# Altium PCB CoinCraftA1.PcbDoc (part 6 of 7) (continued)
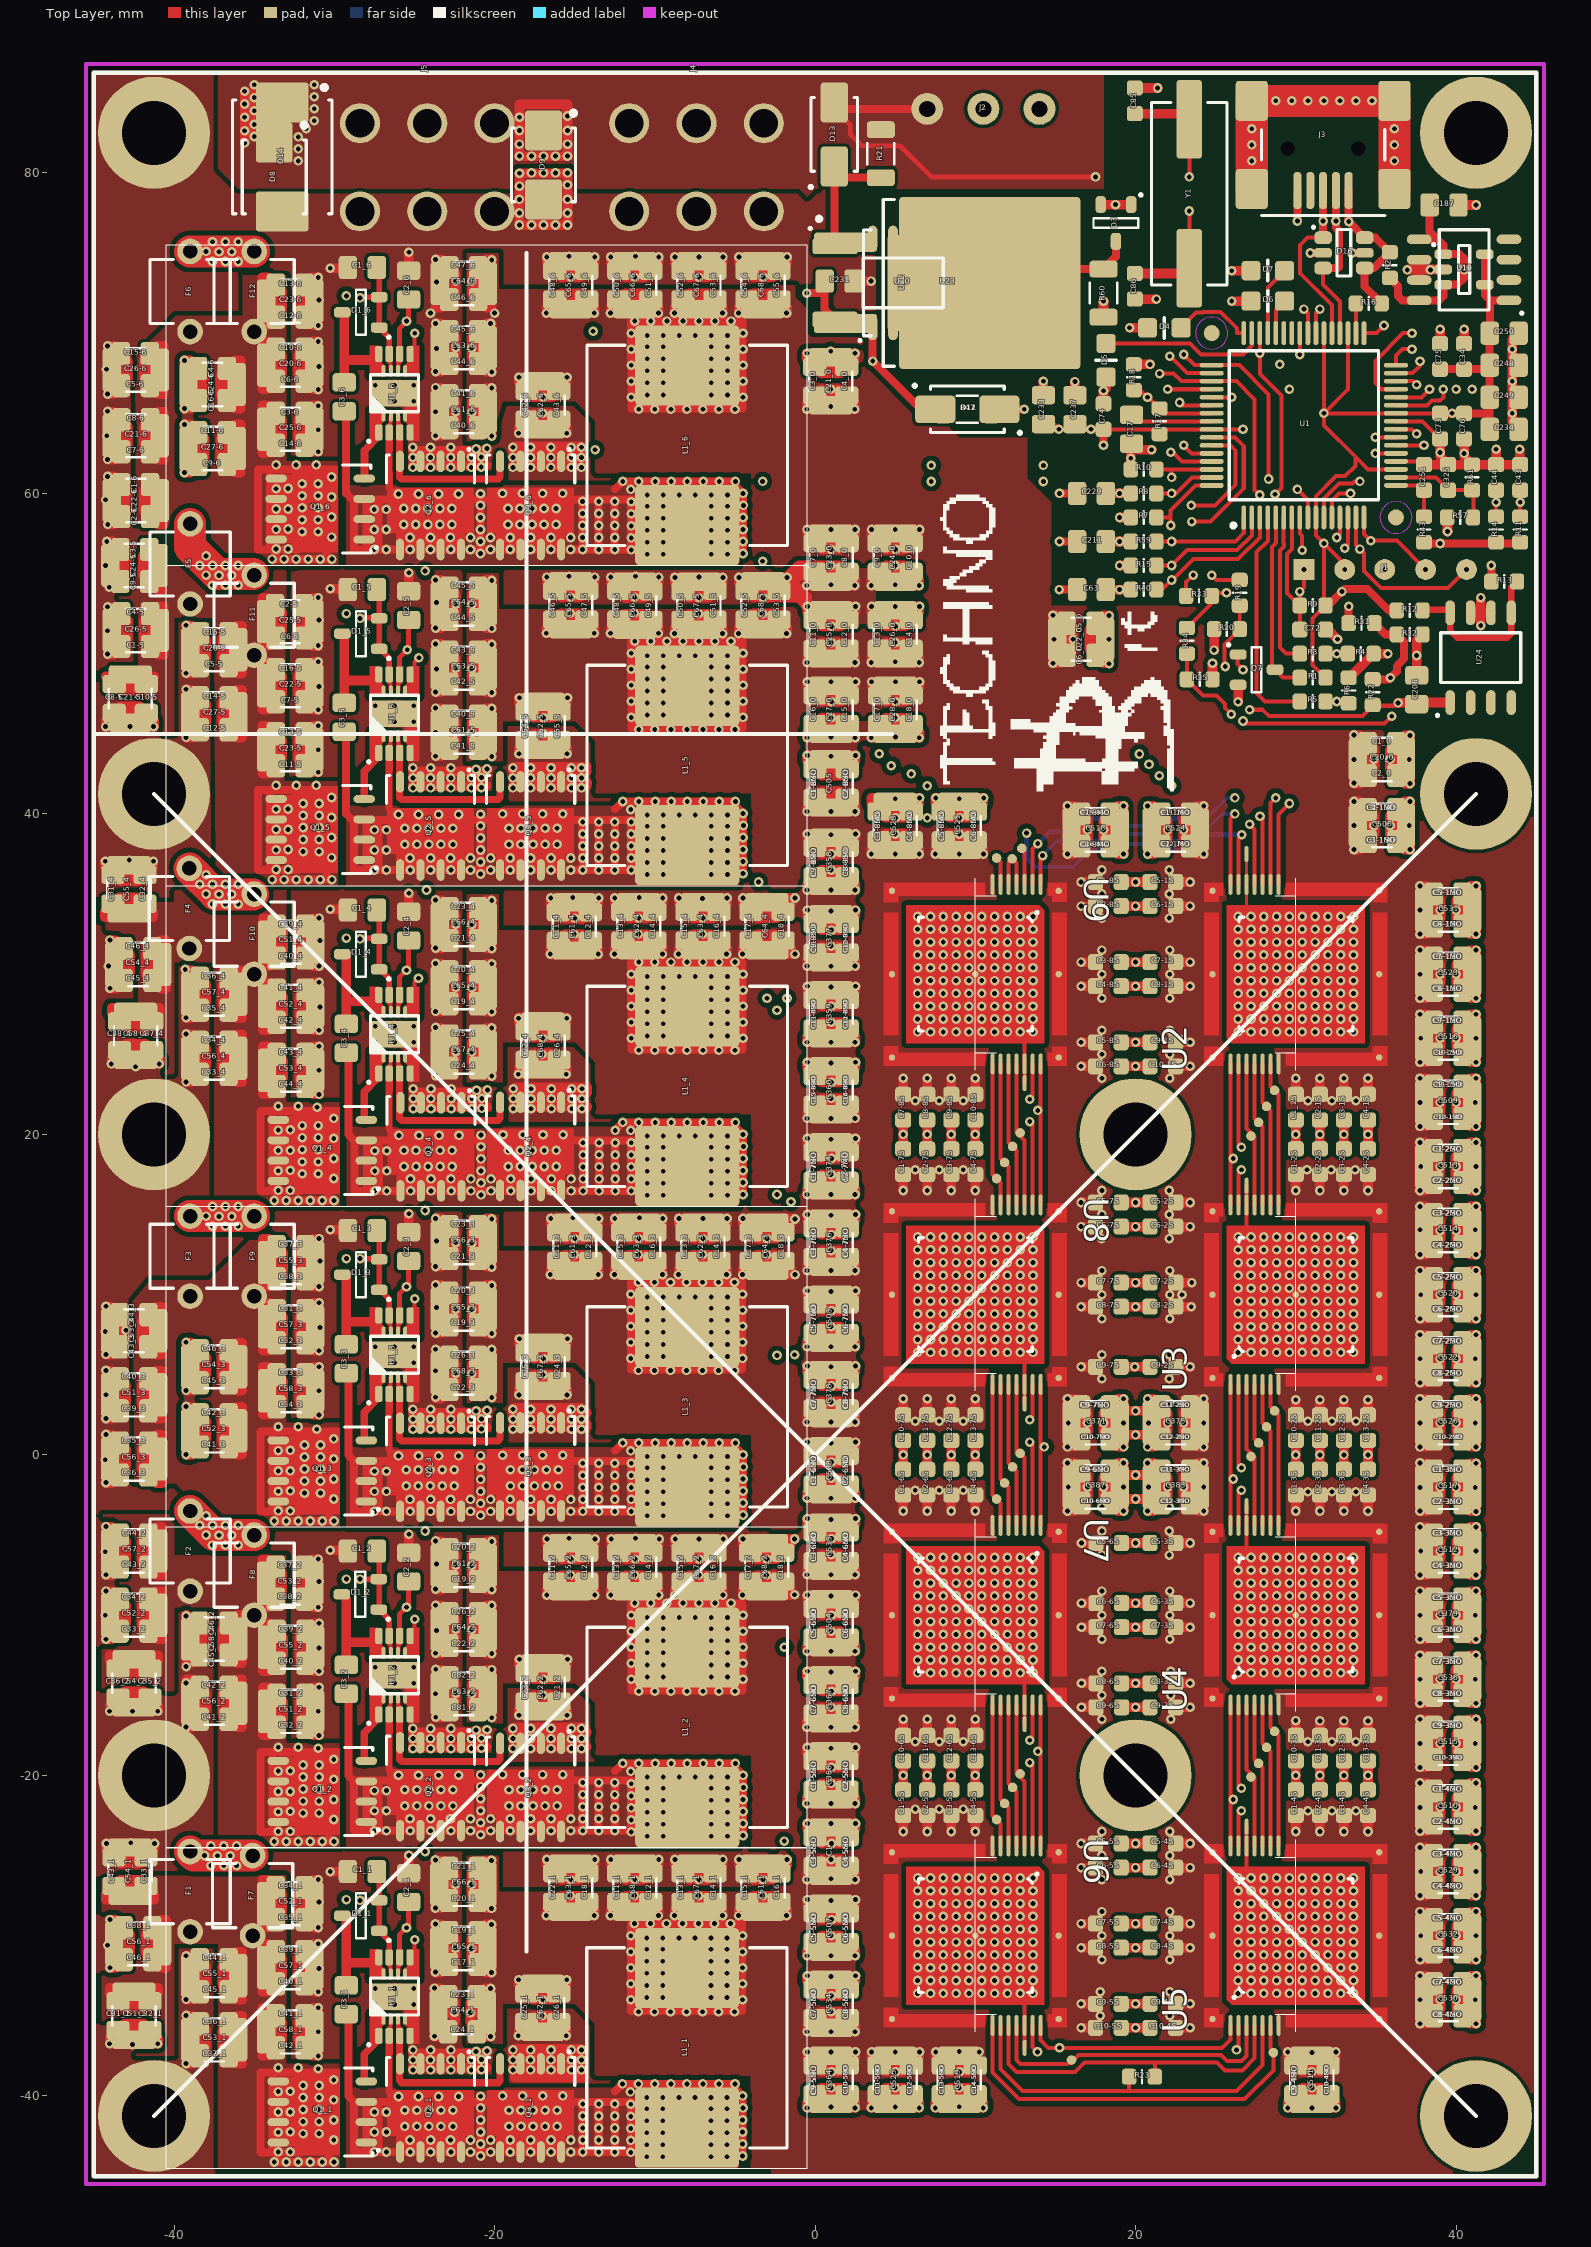
[diagram p0: Top Layer view]
## Nets (pads, with @x,y where several pads share a name; then routed paths per layer and width w, separated by ;. In a path a pad name is that pad's centre, name@x,y a point inside that pad or via, vN(x,y) a via of type N, cw(c..) or ccw(c..) an arc to the next point about the centre after c; other vN are vias at no path point) (continued)
PWM2L: R10.1 U1.62 U1_6.5 | length 60.5
  Top Layer w0.25: -24.987,68.988 v1(-24.987,70) ; R10.1@21.3,61.5 22.25,61.5 ; v1(22.25,61) 22.25,61.5 ; U1.62@24.75,61.5 22.25,61.5
  Mid-Top Layer w0.25: v1(-13.85,70.125) -13.85,62.85 v1(-13.725,62.725) ; v1(7.25,61.75) v1(14.25,61.75)
  Mid-Bottom Layer w0.25: v1(-24.987,70) -24.962,69.975 -19.366,69.975 -19.216,70.125 v1(-13.85,70.125) v1@-13.725,70 ; v1(-13.725,62.725) -12.75,61.75 v1(7.25,61.75) ; v1(14.25,61.75) 14.5,61.5 21.75,61.5 v1(22.25,61)
PWM3H: R59.2 U1.1 U1_3.5 | length 99.5
  Top Layer w0.25: -25.05,8.925 -24.987,8.988 v1(-24.987,9.75) ; R59.2@21.3,57 v1(22.25,57) 26.227,57 26.75,57.523 U1.1@26.75,58.5
  Mid-Top Layer w0.25: v1(-24.987,9.75) -24.336,10.401 v1(-24.336,15.25) ; v1(-3,28.5) -3,30.2 -2.825,30.375 -2.825,41.198 -1.635,42.387 4.137,42.387 v1(4.75,43) ; v1(20.838,43.088) 21,43.25 21,55.75 v1(22.25,57)
  Mid-Bottom Layer w0.25: v1(-24.336,15.25) -24.086,15.5 -3.5,15.5 -3,16 v1(-3,28.5) ; v1(4.75,43) 5,43.25 7.5,43.25 8,42.75 20.5,42.75 v1(20.838,43.088)
PWM3L: R7.1 U1.64 U1_4.5 | length 78.3
  Top Layer w0.25: -25,28.975 -25,29.5 v1(-24.75,29.75) ; R7.1@21.3,58.5 22.192,58.5 ; v1(22.192,58) 22.192,58.5 ; U1.64@24.75,60.5 23.75,60.5 22.192,58.942 22.192,58.5
  Mid-Top Layer w0.25: v1(-24.75,29.75) -24.75,34.75 v1(-24.25,35.25) ; v1(-3.525,35.75) -3.275,36 -3.275,41.384 -1.822,42.837 3.087,42.837 v1(4,43.75) ; v1(20.238,43.738) 20.238,56.046 v1(22.192,58)
  Mid-Bottom Layer w0.25: v1(-24.25,35.25) -24,35.5 -3.775,35.5 v1(-3.525,35.75) ; v1(4,43.75) 7.636,43.75 8.136,43.25 19.75,43.25 v1(20.238,43.738)
PWM4H: R40.2 U1.3 U1_1.5 | length 141.6
  Top Layer w0.25: -24.987,-31.166 v1(-24.987,-30.25) ; R40.2@21.3,54 21.65,54 v1(22.25,54.6) ; v1@22.274,54.576 23.6,55.903 26.403,55.903 27.75,57.25 U1.3@27.75,58.5
  Mid-Top Layer w0.25: v1(-24.987,-30.25) -24.336,-29.599 v1(-24.336,-24.75) ; v1(-1.925,-24.1) v1(-1.925,-12) ; v1(-1.75,28.5) -1.75,30.2 -1.925,30.375 -1.925,40.825 -1.262,41.488 4.51,41.488 4.773,41.75 v1(7,41.75) ; v1(-1.5,15.8) -1.875,15.425 -1.875,6.85 v1(-1.275,6.25) ; v1(22.25,41.75) v1(22.25,54.6)
  Mid-Bottom Layer w0.25: v1(-24.336,-24.75) -24.086,-24.5 -2.325,-24.5 v1(-1.925,-24.1) ; v1@-1.9,-12 -1.9,5.625 v1(-1.275,6.25) ; v1(-1.75,28.5) -1.75,16.05 v1(-1.5,15.8) ; v1(7,41.75) v1(22.25,41.75)
PWM4L: R15.2 U1.2 U1_2.5 | length 119.6
  Top Layer w0.25: -24.987,-11 v1(-24.987,-10.25) ; R15.2@21.3,55.5 v1(22.25,55.5) 23.213,56.463 26.326,56.463 27.25,57.386 U1.2@27.25,58.5
  Mid-Top Layer w0.25: v1(-24.987,-10.25) -24.336,-9.599 v1@-24.336,-4.95 ; v1(-2.375,6.212) v1(-2.375,16.25) ; v1(-2.375,27.75) -2.375,41.011 -1.449,41.938 4.324,41.938 4.586,42.2 5.7,42.2 v1(6,42.5) ; v1(21.488,42.387) 21.488,54.738 v1(22.25,55.5)
  Mid-Bottom Layer w0.25: v1(-24.336,-4.75) -24.086,-4.5 -3.05,-4.5 -2.75,-4.2 -2.75,5.837 v1(-2.375,6.212) ; v1(-2.375,16.25) v1(-2.375,27.75) ; v1(6,42.5) 7.288,42.5 7.538,42.25 21.35,42.25 v1(21.488,42.387) v1@21.625,42.525 ; v1@22.25,55.484 v1(22.25,55.5)
RED: D4.2 U1.48 | length 5.1
  Top Layer w0.25: D4.2@22.842,70.335 23.782,71.275 24.025,71.275 24.188,71.275 24.246,71.334 25.302,71.334 26.329,70.307 26.329,70 U1.48@26.75,70
RESET: R22.1 R31.1 R32.1 U2.3 U3.3 U4.3 U5.3 U6.3 U7.3 U8.3 U9.3 | length 224.6
  Top Layer w0.25: v1(13.4,-19.2) 13.575,-19.375 U6.3@13.575,-24.4 ; v1(13.4,0.8) 13.575,0.625 U7.3@13.575,-4.4 ; v1(13.4,20.8) 13.575,20.625 U8.3@13.575,15.6 ; U9.3@13.575,35.6 13.575,37.825 v1(13.9,38.15) ; v1(26.3,-37.125) 26.425,-37 U5.3@26.425,-35.6 ; U4.3@26.425,-15.6 26.425,-20.625 v1(26.6,-20.8) ; U3.3@26.425,4.4 26.425,-0.625 v1(26.6,-0.8) ; U2.3@26.425,24.4 26.425,19.375 v1(26.6,19.2) ; v1(26.7,45.8) 26.85,45.65 35.539,45.65 v1(35.989,46.1)
  Top Layer w0.5: R22.1@34.8,48.4 35.8,48.4 v1(35.9,48.5) 36.299,48.899 36.299,49.229 36.754,49.685 36.754,50.746 R32.1@36.3,51.2 35.6,51.2 R31.1@34.9,51.9
  Mid-Top Layer w0.25: v1(13.4,-19.2) 14.415,-19.2 15.7,-17.915 15.7,-4.35 15,-3.65 15,0.9 14.6,1.3 13.9,1.3 v1(13.4,0.8) ; v1(13.4,20.8) 14.25,20.8 15.6,22.15 15.6,36.766 14.983,37.383 14.983,37.517 14.35,38.15 v1(13.9,38.15) ; v1(26.2,41) 26.525,41.325 26.525,45.589 v1@26.718,45.782 ; v1(26.3,-37.125) 25.2,-36.025 25.2,-25.1 27.425,-22.875 27.425,-21.625 v1(26.6,-20.8) ; v1(26.6,-0.8) 26.6,3.9 25.3,5.2 25.3,14.8 27.7,17.2 27.7,18.6 27.1,19.2 v1(26.6,19.2)
  Mid-Bottom Layer w0.25: v1(13.4,0.8) 14.45,1.85 14.45,3.986 15.3,4.836 15.3,18.9 v1(13.4,20.8) ; v1(26.2,41) 25.2,40 25.2,36.7 24.3,35.8 24.3,21.5 v1(26.6,19.2) ; v1(26.6,-20.8) 24.8,-19 24.8,-4.889 25.475,-4.214 25.475,-1.025 25.7,-0.8 v1(26.6,-0.8)
  Mid-Bottom Layer w0.5: v1(35.9,48.5) 35.4,48 35.4,46.689 v1(35.989,46.1)
  Bottom Layer w0.25: v1(13.9,38.15) 14.65,38.9 15.9,38.9 16.7,39.7 18.3,39.7 18.75,39.25 21.2,39.25 21.65,39.7 ; 21.9,39.7 21.65,39.7 ; v1(26.2,41) 25.7,41 24.4,39.7 21.65,39.7
RESET_MCU: R31.2 U1.53 | length 21.7
  Top Layer w0.25: U1.53@24.75,66 v1(26,66)
  Top Layer w0.5: R31.2@33.3,51.9 v1(33.3,52.95)
  Mid-Top Layer w0.25: v1(29.6,66.5) 31.125,64.975 31.125,54.275 32.45,52.95 v1(33.3,52.95)
  Mid-Bottom Layer w0.25: v1(26,66) 27.212,66 27.712,66.5 v1(29.6,66.5)
SPI_CS0: R19.1 R20.2 U2.15 | length 19.1
  Top Layer w0.2: R20.2@26.5,51.525 R19.1@26.5,53
  Top Layer w0.25: v1(25.6,49.2) 25.55,49.25 25.55,50.575 R20.2@26.5,51.525 ; v1(27.112,39.349) 27.425,39.037 U2.15@27.425,35.6
  Mid-Top Layer w0.25: v1(25.6,49.2) 25.7,49.1 25.7,48.925 27.775,46.85 27.775,44.975 27.6,44.8 27.6,40.764 27.112,40.276 v1(27.112,39.349)
SPI_CS1: pad.0@27.2,19.9 U2.4 U3.15 | length 9.3
  Top Layer w0.25: U2.4@26.925,24.4 26.925,20.375 pad.0@27.4,19.9 ; pad.0@27.163,20.138 27.425,19.875 U3.15@27.425,15.6
SPI_CS2: pad.0@27.2,-0.1 U3.4 U4.15 | length 9.3
  Top Layer w0.25: U3.4@26.925,4.4 26.925,0.375 pad.0@27.4,-0.1 ; pad.0@27.163,0.138 27.425,-0.125 U4.15@27.425,-4.4
SPI_CS3: pad.0@27.2,-20.1 U4.4 U5.15 | length 9.3
  Top Layer w0.25: U4.4@26.925,-15.6 26.925,-19.625 pad.0@27.4,-20.1 ; pad.0@27.163,-19.863 27.425,-20.125 U5.15@27.425,-24.4
SPI_CS4: pad.0@16,-37.761 U5.4 U6.15 | length 19.1
  Top Layer w0.25: U6.15@12.575,-35.6 12.575,-37.761 12.814,-38 15.761,-38 pad.0@16,-37.761 16.064,-37.825 16.439,-37.45 25.325,-37.45 25.7,-37.825 26.611,-37.825 26.925,-37.511 U5.4@26.925,-35.6
SPI_CS5: pad.0@12.8,-19.9 U6.4 U7.15 | length 9.3
  Top Layer w0.25: U7.15@12.575,-15.6 12.575,-19.875 pad.0@12.838,-20.138 ; pad.0@12.6,-19.9 13.075,-20.375 U6.4@13.075,-24.4
SPI_CS6: pad.0@12.8,0.1 U7.4 U8.15 | length 9.1
  Top Layer w0.25: pad.0@12.575,0.125 U8.15@12.575,4.4 ; pad.0@12.6,0.1 pad.0@12.8,0.1 13.075,-0.175 U7.4@13.075,-4.4
SPI_CS7: pad.0@12.8,20.1 U8.4 U9.15 | length 9.3
  Top Layer w0.25: U9.15@12.575,24.4 12.575,20.125 pad.0@12.838,19.863 ; pad.0@12.6,20.1 13.075,19.625 U8.4@13.075,15.6
SPI_CS8: pad.0@12.9,37.85 U9.4 | length 2.3
  Top Layer w0.25: pad.0@12.9,37.85 13.075,37.675 U9.4@13.075,35.6
SPI_MISO0: Q7.1 U2.14 | length 15.5
  Top Layer w0.25: Q7.1@26.35,49.9 26.35,49.35 v1(26.7,49) ; v1@27.767,39.855 27.925,39.697 U2.14@27.925,35.6
  Mid-Top Layer w0.25: v1(26.7,49) 26.7,48.65 28.3,47.05 28.3,41.433 28.125,41.258 28.125,40.741 28.3,40.566 28.3,40.388 v1(27.762,39.85)
SPI_MISO1: pad.0@27.675,20.75 U2.5 U3.14 | length 9
  Top Layer w0.25: U2.5@27.425,24.375 27.425,21 27.925,20.5 U3.14@27.925,15.6
SPI_MISO2: pad.0@27.675,0.75 U3.5 U4.14 | length 9
  Top Layer w0.25: U3.5@27.425,4.375 27.425,1 27.925,0.5 U4.14@27.925,-4.4
SPI_MISO3: pad.0@27.675,-19.25 U4.5 U5.14 | length 9
  Top Layer w0.25: U4.5@27.425,-15.625 27.425,-19 27.925,-19.5 U5.14@27.925,-24.4
SPI_MISO4: R23.1 U5.5 U6.14 | length 21.6
  Top Layer w0.25: U6.14@12.075,-35.6 12.075,-38 12.575,-38.5 16.225,-38.5 16.825,-37.9 21.2,-37.9 ; R23.1@21.2,-38.8 21.2,-37.9 ; U5.5@27.425,-35.625 27.425,-37.648 26.673,-38.4 25.586,-38.4 25.086,-37.9 21.2,-37.9
SPI_MISO5: pad.0@12.325,-20.75 U6.5 U7.14 | length 9
  Top Layer w0.25: U7.14@12.075,-15.6 12.075,-20.5 12.575,-21 U6.5@12.575,-24.375
SPI_MISO6: pad.0@12.325,-0.75 U7.5 U8.14 | length 9
  Top Layer w0.25: U8.14@12.075,4.4 12.075,-0.5 12.575,-1 U7.5@12.575,-4.375
SPI_MISO7: pad.0@12.325,19.25 U8.5 U9.14 | length 9
  Top Layer w0.25: U9.14@12.075,24.4 12.075,19.5 12.575,19 U8.5@12.575,15.625
SPI_MOSI0: R3.1 R4.2 U2.13 | length 17.5
  Top Layer w0.25: U2.13@28.425,35.6 28.425,40.675 v1(28.75,41) ; R3.1@31.85,50 v1(32.55,50) R4.2@33.25,50
  Mid-Top Layer w0.25: v1(28.75,41) 28.75,46.2 v1(32.55,50)
SPI_MOSI1: pad.0@28.175,21.75 U2.6 U3.13 | length 9
  Top Layer w0.25: U2.6@27.925,24.375 27.925,22 28.425,21.5 U3.13@28.425,15.6
SPI_MOSI2: pad.0@28.175,1.75 U3.6 U4.13 | length 9
  Top Layer w0.25: U3.6@27.925,4.375 27.925,2 28.425,1.5 U4.13@28.425,-4.4
SPI_MOSI3: pad.0@28.175,-18.25 U4.6 U5.13 | length 9
  Top Layer w0.25: U4.6@27.925,-15.625 27.925,-18 28.425,-18.5 U5.13@28.425,-24.4
SPI_MOSI4: R23.2 U5.6 U6.13 | length 23.7
  Top Layer w0.25: U6.13@11.575,-35.6 11.575,-38.325 12.95,-39.7 19.6,-39.7 ; R23.2@19.6,-38.8 19.6,-39.7 ; U5.6@27.925,-35.625 27.925,-38.075 26.3,-39.7 19.6,-39.7
SPI_MOSI5: pad.0@11.825,-21.75 U6.6 U7.13 | length 9
  Top Layer w0.25: U7.13@11.575,-15.6 11.575,-21.5 12.075,-22 U6.6@12.075,-24.375
SPI_MOSI6: pad.0@11.825,-1.75 U7.6 U8.13 | length 9
  Top Layer w0.25: U8.13@11.575,4.4 11.575,-1.5 12.075,-2 U7.6@12.075,-4.375
SPI_MOSI7: pad.0@11.825,18.25 U8.6 U9.13 | length 9
  Top Layer w0.25: U9.13@11.575,24.4 11.575,18.5 12.075,18 U8.6@12.075,15.625
SPI_SCK0: R5.1 R6.2 U2.12 | length 15.8
  Top Layer w0.25: U2.12@28.925,35.6 28.925,39.975 v1(29.6,40.65) ; R5.1@31.85,47.018 v1(32.55,47.018) 33.232,47.018 R6.2@33.25,47
  Mid-Top Layer w0.25: v1(29.6,40.65) 29.6,41.488 29.25,41.838 29.25,45.75 30.518,47.018 v1(32.55,47.018)
SPI_SCK1: pad.0@28.675,22.75 U2.7 U3.12 | length 9
  Top Layer w0.25: U2.7@28.425,24.4 28.425,23 28.925,22.5 U3.12@28.925,15.6
SPI_SCK2: pad.0@28.675,2.75 U3.7 U4.12 | length 9
  Top Layer w0.25: U3.7@28.425,4.4 28.425,3 28.925,2.5 U4.12@28.925,-4.4
SPI_SCK3: pad.0@28.675,-17.25 U4.7 U5.12 | length 9
  Top Layer w0.25: U4.7@28.425,-15.6 28.425,-17 28.925,-17.5 U5.12@28.925,-24.4
SPI_SCK4: pad.0@28.6,-37.3 U5.7 U6.12 | length 24.8
  Top Layer w0.25: U6.12@11.075,-35.6 11.075,-38.55 12.725,-40.2 26.8,-40.2 28.6,-38.4 pad.0@28.6,-37.3 28.6,-37.175 28.425,-37 U5.7@28.425,-35.6
SPI_SCK5: pad.0@11.325,-22.75 U6.7 U7.12 | length 9
  Top Layer w0.25: U7.12@11.075,-15.6 11.075,-22.5 11.575,-23 U6.7@11.575,-24.4
SPI_SCK6: pad.0@11.325,-2.75 U7.7 U8.12 | length 9
  Top Layer w0.25: U8.12@11.075,4.4 11.075,-2.5 11.575,-3 U7.7@11.575,-4.4
SPI_SCK7: pad.0@11.325,17.25 U8.7 U9.12 | length 9
  Top Layer w0.25: U9.12@11.075,24.4 11.075,17.5 11.575,17 U8.7@11.575,15.6
SPI_SCK8: pad.0@11.325,37.25 U9.7 | length 1.8
  Top Layer w0.25: pad.0@11.325,37.25 11.575,37 U9.7@11.575,35.6
SPI_TERM: pad.0@12.3,37.2 U9.5 U9.6 | length 3.4
  Top Layer w0.25: U9.6@12.075,35.625 12.075,36.975 pad.0@12.3,37.2 12.575,36.925 U9.5@12.575,35.625
SWN1: C3_1.2 L1_1.1 Q1_1.1 Q1_1.2 Q1_1.3 Q2_1.5 Q2_1.6 Q2_1.7 Q2_1.8 Q3_1.5 Q3_1.6 Q3_1.7 Q3_1.8 U1_1.2 | length 111.8
  Top Layer w0.4: -26.574,-39.725 -25.935,-40.365 -25.75,-40.55
  Top Layer w0.45: C3_1.2@-29.25,-34.9 -29.125,-35.025 C3_1.2@-29.118,-35.032 ; -26.58,-39.72 -26.58,-37.345 ; -26.575,-37.34 U1_1.2@-26.575,-36.25
  Top Layer w0.5: C3_1.2@-29.125,-35.025 -29.125,-40.018 -28.778,-40.365 ; v1@-27.25,-43.345 -27.25,-40.365 ; -12.5,-39.725 v1(-12.025,-39.25) v1(-10,-39.25) v1(-9,-39.25) v1(-8,-39.25) v1(-7,-39.25) v1(-6,-39.25) -5.275,-39.25 v1(-4.525,-40) v1(-4.525,-41.5) v1(-4.525,-42.25) v1(-4.525,-43) v1(-4.525,-43.75) -6.225,-43.75 L1_1.1@-8,-41.975 ; v1@-11.5,-43.5 v1(-12.5,-43.5) ; v1@-11.5,-40.365 v1@-12.5,-40.365 ; v1(-10.5,-43.8) L1_1.1@-10.5,-40.665 ; L1_1.1@-9.61,-40.39 -11.5,-40.39 v1(-11.5,-43.525) L1_1.1@-9.525,-43.525 ; L1_1.1@-9.61,-40.365 L1_1.1@-8,-41.975 ; L1_1.1@-9.525,-43.5 L1_1.1@-8,-41.975 ; v1(-9.5,-43.8) L1_1.1@-9.5,-40.665 ; v1(-9.5,-40.1) v1(-8.5,-40.1) v1(-7.5,-40.1) v1(-6.5,-40.1) v1(-5.5,-40.1) L1_1.1@-4.775,-40.1 ; v1(-6.5,-43.8) L1_1.1@-6.5,-40.665 ; v1(-5.5,-43.8) L1_1.1@-5.5,-40.665 ; -28.778,-40.365 Q1_1.3@-28,-40.365 ; -28.778,-40.365 -28.778,-43.5 -28,-43.5 ; -28,-43.5 Q2_1.5@-25.9,-43.5 Q2_1.6@-24.63,-43.5 Q2_1.7@-23.36,-43.5 Q2_1.8@-22.09,-43.5 v1@-20.872,-43.5 ; -28,-43.5 Q1_1.1@-28,-42.905 Q1_1.2@-28,-41.635 Q1_1.3@-28,-40.365 ; Q1_1.3@-28,-40.365 -27.25,-40.365 ; -27.25,-40.365 -25.935,-40.365 -20.872,-40.365 ; v1@-20.872,-43.5 -20.872,-40.365 ; v1@-20.872,-43.5 Q3_1.5@-19.655,-43.5 Q3_1.6@-18.385,-43.5 Q3_1.7@-17.115,-43.5 Q3_1.8@-15.845,-43.5 v1(-14.5,-43.5) ; -20.872,-40.365 v1@-14.5,-40.365 ; v1(-14.5,-43.5) v1@-14.5,-40.365 ; v1(-14.5,-43.5) v1(-13.5,-43.5) ; v1@-14.5,-40.365 v1@-13.5,-40.365 ; v1(-13.5,-43.5) v1@-13.5,-40.365 ; v1(-13.5,-43.5) v1(-12.5,-43.5) ; v1@-13.5,-40.365 v1@-12.5,-40.365 ; v1(-12.5,-43.5) v1@-12.5,-40.365
  other v1: -20.872,-43.75 -27.5,-43.5 -26.75,-43.5 -25.265,-43.5 -23.995,-43.5 -22.725,-43.5 -21.5,-43.5 -20.25,-43.5 -19.02,-43.5 -17.75,-43.5 -16.48,-43.5 -15.25,-43.5 -10.5,-43.05 -9.5,-43.05 -6.5,-43.05 -5.5,-43.05 -20.872,-43 -11.5,-42.775 -25.275,-42.75 -23.995,-42.75 -22.75,-42.75 -21.5,-42.75 -20.25,-42.75 -19.02,-42.75 -17.75,-42.75 -16.48,-42.75 -15.25,-42.75 -14.5,-42.75 -13.5,-42.75 -12.5,-42.75 -10.5,-42.3 -9.5,-42.3 -6.5,-42.3 -5.5,-42.3 -27.5,-42.25 -26.75,-42.25 -20.872,-42.25 -11.5,-42.025 -14.5,-42 -13.5,-42 -12.5,-42 -25.6,-41.9 -24.85,-41.9 -24.1,-41.9 -23.35,-41.9 -22.6,-41.9 -19.1,-41.9 -18.35,-41.9 -17.6,-41.9 -16.85,-41.9 -16.1,-41.9 -10.5,-41.55 -9.5,-41.55 -6.5,-41.55 -5.5,-41.55 -20.872,-41.5 -11.5,-41.275 -14.5,-41.25 -13.5,-41.25 -12.5,-41.25 -27.5,-41 -26.75,-41 -25.6,-40.9 -24.85,-40.9 -24.1,-40.9 -23.35,-40.9 -22.6,-40.9 -19.1,-40.9 -18.35,-40.9 -17.6,-40.9 -16.85,-40.9 -16.1,-40.9 -10.5,-40.8 -9.5,-40.8 -6.5,-40.8 -5.5,-40.8 -20.872,-40.75 -4.5,-40.75 -11.5,-40.525 -14.5,-40.5 -13.5,-40.5 -12.5,-40.5 -10.5,-40.1 -25.995,-40.036 -24.745,-40.036 -23.495,-40.036 -22.245,-40.036 -20.872,-40.018 -19.5,-40 -18.25,-40 -17,-40 -15.75,-40 -11.525,-39.75 -11.025,-39.25 -5,-39.25
SWN2: C3_2.2 L1_2.1 Q1_2.1 Q1_2.2 Q1_2.3 Q2_2.5 Q2_2.6 Q2_2.7 Q2_2.8 Q3_2.5 Q3_2.6 Q3_2.7 Q3_2.8 U1_2.2 | length 119
  Top Layer w0.4: -26.574,-19.675 -25.75,-20.5 -25.935,-20.315
  Top Layer w0.45: C3_2.2@-29.25,-14.9 -29.125,-15.025 C3_2.2@-29.118,-15.032 ; -26.58,-19.67 -26.58,-18.705 -26.58,-17.295 ; -26.575,-17.29 U1_2.2@-26.575,-16.2
  Top Layer w0.5: C3_2.2@-29.125,-15.025 -29.125,-20.018 -28.778,-20.365 Q1_2.3@-28,-20.365 ; v1@-27.25,-23.295 -27.25,-20.315 ; -12.475,-19.725 v1(-12,-19.25) v1(-9.975,-19.25) v1(-8.975,-19.25) v1(-7.975,-19.25) v1(-6.975,-19.25) v1(-5.975,-19.25) -5.25,-19.25 v1(-4.5,-20) v1(-4.5,-21.5) v1(-4.5,-22.25) v1(-4.5,-23) v1(-4.5,-23.75) L1_2.1@-6.2,-23.75 ; v1@-11.5,-23.45 v1(-12.5,-23.45) ; v1@-11.5,-20.315 v1@-12.5,-20.315 ; v1(-10.475,-23.8) L1_2.1@-10.475,-20.665 ; L1_2.1@-9.585,-20.39 -11.475,-20.39 v1(-11.475,-23.525) L1_2.1@-9.5,-23.525 ; v1(-9.475,-23.8) L1_2.1@-9.475,-20.665 ; v1(-9.475,-20.1) v1(-8.475,-20.1) v1(-7.475,-20.1) v1(-6.475,-20.1) v1(-5.475,-20.1) ; v1(-6.475,-23.8) L1_2.1@-6.475,-20.665 ; v1(-5.475,-23.8) L1_2.1@-5.475,-20.665 ; -28,-23.45 -28.778,-23.45 -28.778,-20.315 Q1_2.3@-28,-20.315 ; -28,-23.45 -28,-22.855 -28,-21.585 Q1_2.3@-28,-20.315 ; -28,-23.45 Q2_2.5@-25.9,-23.45 Q2_2.6@-24.63,-23.45 Q2_2.7@-23.36,-23.45 Q2_2.8@-22.09,-23.45 v1@-20.873,-23.45 ; Q1_2.3@-28,-20.315 -27.25,-20.315 ; -27.25,-20.315 -25.935,-20.315 -20.873,-20.315 ; v1@-20.873,-23.45 -19.655,-23.45 -18.385,-23.45 -17.115,-23.45 -15.845,-23.45 v1(-14.5,-23.45) ; v1@-20.873,-23.45 -20.873,-20.315 ; -20.873,-20.315 v1@-14.5,-20.315 ; v1(-14.5,-23.45) v1(-13.5,-23.45) ; v1(-14.5,-23.45) v1@-14.5,-20.315 ; v1@-14.5,-20.315 v1@-13.5,-20.315 ; v1(-13.5,-23.45) v1(-12.5,-23.45) ; v1(-13.5,-23.45) v1@-13.5,-20.315 ; v1@-13.5,-20.315 v1@-12.5,-20.315 ; v1(-12.5,-23.45) v1@-12.5,-20.315 ; L1_2.1@-7.975,-21.975 L1_2.1@-6.2,-23.75 ; L1_2.1@-7.975,-21.975 -9.5,-23.5 L1_2.1@-7.975,-21.975 ; L1_2.1@-7.975,-21.975 -9.585,-20.365 L1_2.1@-7.975,-21.975 ; L1_2.1@-7.975,-21.975 L1_2.1@-6.2,-23.75
  other v1: -20.873,-23.7 -27.5,-23.45 -26.75,-23.45 -25.265,-23.45 -23.995,-23.45 -22.725,-23.45 -21.5,-23.45 -20.25,-23.45 -19.02,-23.45 -17.75,-23.45 -16.48,-23.45 -15.25,-23.45 -10.475,-23.05 -9.475,-23.05 -6.475,-23.05 -5.475,-23.05 -20.873,-22.95 -11.475,-22.775 -25.275,-22.7 -23.995,-22.7 -22.75,-22.7 -21.5,-22.7 -20.25,-22.7 -19.02,-22.7 -17.75,-22.7 -16.48,-22.7 -15.25,-22.7 -14.5,-22.7 -13.5,-22.7 -12.5,-22.7 -10.475,-22.3 -9.475,-22.3 -6.475,-22.3 -5.475,-22.3 -27.5,-22.2 -26.75,-22.2 -20.873,-22.2 -11.475,-22.025 -14.5,-21.95 -13.5,-21.95 -12.5,-21.95 -25.6,-21.9 -24.85,-21.9 -24.1,-21.9 -23.35,-21.9 -22.6,-21.9 -19.1,-21.9 -18.35,-21.9 -17.6,-21.9 -16.85,-21.9 -16.1,-21.9 -10.475,-21.55 -9.475,-21.55 -6.475,-21.55 -5.475,-21.55 -20.873,-21.45 -11.475,-21.275 -14.5,-21.2 -13.5,-21.2 -12.5,-21.2 -27.5,-20.95 -26.75,-20.95 -25.6,-20.9 -24.85,-20.9 -24.1,-20.9 -23.35,-20.9 -22.6,-20.9 -19.1,-20.9 -18.35,-20.9 -17.6,-20.9 -16.85,-20.9 -16.1,-20.9 -10.475,-20.8 -9.475,-20.8 -6.475,-20.8 -5.475,-20.8 -4.475,-20.75 -20.873,-20.7 -11.475,-20.525 -14.5,-20.45 -13.5,-20.45 -12.5,-20.45 -10.475,-20.1 -25.995,-19.986 -24.745,-19.986 -23.495,-19.986 -22.245,-19.986 -20.873,-19.968 -19.5,-19.95 -18.25,-19.95 -17,-19.95 -15.75,-19.95 -11.5,-19.75 -11,-19.25 -4.975,-19.25
SWN3: C3_3.2 L1_3.1 Q1_3.1 Q1_3.2 Q1_3.3 Q2_3.5 Q2_3.6 Q2_3.7 Q2_3.8 Q3_3.5 Q3_3.6 Q3_3.7 Q3_3.8 U1_3.2 | length 119
  Top Layer w0.4: -26.574,0.325 -25.75,-0.5 ; -25.935,-0.39 -25.75,-0.575
  Top Layer w0.45: C3_3.2@-29.25,5.1 -29.125,4.975 C3_3.2@-29.118,4.968 ; -26.58,0.33 -26.58,1.295 -26.58,2.705 ; -26.575,2.71 U1_3.2@-26.575,3.8
  Top Layer w0.5: C3_3.2@-29.125,4.975 -29.125,-0.018 -28.778,-0.365 Q1_3.3@-28,-0.365 ; v1@-27.25,-3.37 -27.25,-0.39 ; -12.475,0.275 v1(-12,0.75) v1(-9.975,0.75) v1(-8.975,0.75) v1(-7.975,0.75) v1(-6.975,0.75) v1(-5.975,0.75) -5.25,0.75 v1(-4.5,0) v1(-4.5,-1.5) v1(-4.5,-2.25) v1(-4.5,-3) v1(-4.5,-3.75) L1_3.1@-6.2,-3.75 ; v1@-11.5,-3.525 v1(-12.5,-3.525) ; v1@-11.5,-0.39 v1@-12.5,-0.39 ; v1(-10.475,-3.8) L1_3.1@-10.475,-0.665 ; L1_3.1@-9.585,-0.39 -11.475,-0.39 v1(-11.475,-3.525) L1_3.1@-9.5,-3.525 ; v1(-9.475,-3.8) L1_3.1@-9.475,-0.665 ; v1(-9.475,-0.1) v1(-8.475,-0.1) v1(-7.475,-0.1) v1(-6.475,-0.1) v1(-5.475,-0.1) ; v1(-6.475,-3.8) L1_3.1@-6.475,-0.665 ; v1(-5.475,-3.8) L1_3.1@-5.475,-0.665 ; -28,-3.525 -28.778,-3.525 -28.778,-0.39 Q1_3.3@-28,-0.39 ; -28,-3.525 -28,-2.93 -28,-1.66 Q1_3.3@-28,-0.39 ; -28,-3.525 Q2_3.5@-25.9,-3.525 Q2_3.6@-24.63,-3.525 Q2_3.7@-23.36,-3.525 Q2_3.8@-22.09,-3.525 v1@-20.873,-3.525 ; Q1_3.3@-28,-0.39 -27.25,-0.39 ; -27.25,-0.39 -25.935,-0.39 -20.873,-0.39 ; v1@-20.873,-3.525 -19.655,-3.525 -18.385,-3.525 -17.115,-3.525 -15.845,-3.525 v1(-14.5,-3.525) ; v1@-20.873,-3.525 -20.873,-0.39 ; -20.873,-0.39 v1@-14.5,-0.39 ; v1(-14.5,-3.525) v1(-13.5,-3.525) ; v1(-14.5,-3.525) v1@-14.5,-0.39 ; v1@-14.5,-0.39 v1@-13.5,-0.39 ; v1(-13.5,-3.525) v1(-12.5,-3.525) ; v1(-13.5,-3.525) v1@-13.5,-0.39 ; v1@-13.5,-0.39 v1@-12.5,-0.39 ; v1(-12.5,-3.525) v1@-12.5,-0.39 ; L1_3.1@-7.975,-1.975 L1_3.1@-6.2,-3.75 ; L1_3.1@-7.975,-1.975 -9.5,-3.5 L1_3.1@-7.975,-1.975 ; L1_3.1@-7.975,-1.975 -9.585,-0.365 L1_3.1@-7.975,-1.975 ; L1_3.1@-7.975,-1.975 L1_3.1@-6.2,-3.75
  other v1: -20.873,-3.775 -27.5,-3.525 -26.75,-3.525 -25.265,-3.525 -23.995,-3.525 -22.725,-3.525 -21.5,-3.525 -20.25,-3.525 -19.02,-3.525 -17.75,-3.525 -16.48,-3.525 -15.25,-3.525 -10.475,-3.05 -9.475,-3.05 -6.475,-3.05 -5.475,-3.05 -20.873,-3.025 -25.275,-2.775 -23.995,-2.775 -22.75,-2.775 -21.5,-2.775 -20.25,-2.775 -19.02,-2.775 -17.75,-2.775 -16.48,-2.775 -15.25,-2.775 -14.5,-2.775 -13.5,-2.775 -12.5,-2.775 -11.475,-2.775 -10.475,-2.3 -9.475,-2.3 -6.475,-2.3 -5.475,-2.3 -27.5,-2.275 -26.75,-2.275 -20.873,-2.275 -14.5,-2.025 -13.5,-2.025 -12.5,-2.025 -11.475,-2.025 -25.515,-1.931 -24.765,-1.931 -24.015,-1.931 -23.265,-1.931 -22.515,-1.931 -19.015,-1.931 -18.265,-1.931 -17.515,-1.931 -16.765,-1.931 -16.015,-1.931 -10.475,-1.55 -9.475,-1.55 -6.475,-1.55 -5.475,-1.55 -20.873,-1.525 -14.5,-1.275 -13.5,-1.275 -12.5,-1.275 -11.475,-1.275 -27.5,-1.025 -26.75,-1.025 -25.515,-0.931 -24.765,-0.931 -24.015,-0.931 -23.265,-0.931 -22.515,-0.931 -19.015,-0.931 -18.265,-0.931 -17.515,-0.931 -16.765,-0.931 -16.015,-0.931 -10.475,-0.8 -9.475,-0.8 -6.475,-0.8 -5.475,-0.8 -20.873,-0.775 -4.475,-0.75 -14.5,-0.525 -13.5,-0.525 -12.5,-0.525 -11.475,-0.525 -10.475,-0.1 -25.995,-0.061 -24.745,-0.061 -23.495,-0.061 -22.245,-0.061 -20.873,-0.043 -19.5,-0.025 -18.25,-0.025 -17,-0.025 -15.75,-0.025 -11.5,0.25 -11,0.75 -4.975,0.75
SWN4: C3_4.2 L1_4.1 Q1_4.1 Q1_4.2 Q1_4.3 Q2_4.5 Q2_4.6 Q2_4.7 Q2_4.8 Q3_4.5 Q3_4.6 Q3_4.7 Q3_4.8 U1_4.2 | length 135.6
  Top Layer w0.4: -26.574,20.325 -25.75,19.5 ; -25.91,19.61 -25.725,19.425
  Top Layer w0.45: C3_4.2@-29.25,25.1 -29.125,24.975 C3_4.2@-29.118,24.968 ; -26.58,20.33 -26.58,22.705 ; -26.575,22.71 U1_4.2@-26.575,23.8
  Top Layer w0.5: C3_4.2@-29.125,24.975 -29.125,19.982 -28.778,19.635 Q1_4.3@-28,19.635 ; -27.975,16.475 -28.753,16.475 -28.753,19.61 Q1_4.3@-27.975,19.61 ; v1@-27.225,16.63 -27.225,19.61 ; v1(-16.15,19) -19.285,19 -19.285,18 v1(-16.15,18) v1(-16.15,19) ; v1(-12.475,20.25) -12.475,20.275 v1(-12,20.75) v1(-9.975,20.75) v1(-8.975,20.75) v1(-7.975,20.75) v1(-6.975,20.75) v1(-5.975,20.75) -5.25,20.75 v1(-4.5,20) v1(-4.5,18.5) v1(-4.5,17.75) v1(-4.5,17) v1(-4.5,16.25) L1_4.1@-6.2,16.25 ; v1(-10.475,16.2) L1_4.1@-10.475,19.335 ; L1_4.1@-9.585,19.61 v1@-11.475,19.61 ; L1_4.1@-9.5,16.475 v1(-11.475,16.475) ; v1(-9.475,16.2) L1_4.1@-9.475,19.335 ; v1(-9.475,19.9) v1(-8.475,19.9) v1(-7.475,19.9) v1(-6.475,19.9) v1(-5.475,19.9) ; v1(-6.475,16.2) L1_4.1@-6.475,19.335 ; v1(-5.475,16.2) L1_4.1@-5.475,19.335 ; Q1_4.3@-27.975,19.61 -27.975,16.475 Q3_4.5@-25.875,16.475 Q3_4.6@-24.605,16.475 Q3_4.7@-23.335,16.475 Q3_4.8@-22.065,16.475 v1@-20.848,16.475 ; Q1_4.3@-27.975,19.61 -27.225,19.61 ; -27.225,19.61 -25.91,19.61 -20.848,19.61 ; v1@-20.848,16.475 v1(-14.475,16.475) ; v1@-20.848,16.475 -20.848,19.61 ; -20.848,19.61 v1@-14.475,19.61 ; v1(-14.475,16.475) v1(-13.475,16.475) ; v1(-14.475,16.475) v1@-14.475,19.61 ; v1@-14.475,19.61 v1@-13.475,19.61 ; v1(-13.475,16.475) v1(-12.475,16.475) ; v1(-13.475,16.475) v1@-13.475,19.61 ; v1@-13.475,19.61 v1@-12.475,19.61 ; v1(-12.475,16.475) v1(-11.475,16.475) ; v1(-12.475,16.475) v1@-12.475,19.61 ; v1@-12.475,19.61 v1@-11.475,19.61 ; v1(-11.475,16.475) v1@-11.475,19.61 ; L1_4.1@-7.975,18.025 L1_4.1@-6.2,16.25 ; L1_4.1@-7.975,18.025 -9.5,16.5 L1_4.1@-7.975,18.025 ; L1_4.1@-7.975,18.025 -9.585,19.635 L1_4.1@-7.975,18.025 ; L1_4.1@-7.975,18.025 L1_4.1@-6.2,16.25 ; v1@-25.785,18 v1(-22.65,18) v1(-22.65,19) -25.785,19 v1@-25.785,18
  other v1: -20.848,16.225 -27.475,16.475 -26.725,16.475 -25.24,16.475 -23.97,16.475 -22.7,16.475 -21.475,16.475 -20.225,16.475 -18.995,16.475 -17.725,16.475 -16.455,16.475 -15.225,16.475 -10.475,16.95 -9.475,16.95 -6.475,16.95 -5.475,16.95 -20.848,16.975 -25.25,17.225 -23.97,17.225 -22.725,17.225 -21.475,17.225 -20.225,17.225 -18.995,17.225 -17.725,17.225 -16.455,17.225 -15.225,17.225 -14.475,17.225 -13.475,17.225 -12.475,17.225 -11.475,17.225 -10.475,17.7 -9.475,17.7 -6.475,17.7 -5.475,17.7 -27.475,17.725 -26.725,17.725 -20.848,17.725 -14.475,17.975 -13.475,17.975 -12.475,17.975 -11.475,17.975 -25.65,18 -24.9,18 -24.15,18 -23.4,18 -19.15,18 -18.4,18 -17.65,18 -16.9,18 -10.475,18.45 -9.475,18.45 -6.475,18.45 -5.475,18.45 -20.848,18.475 -14.475,18.725 -13.475,18.725 -12.475,18.725 -11.475,18.725 -27.475,18.975 -26.725,18.975 -25.65,19 -24.9,19 -24.15,19 -23.4,19 -19.15,19 -18.4,19 -17.65,19 -16.9,19 -10.475,19.2 -9.475,19.2 -6.475,19.2 -5.475,19.2 -20.848,19.225 -4.475,19.25 -14.475,19.475 -13.475,19.475 -12.475,19.475 -11.475,19.475 -10.475,19.9 -25.97,19.939 -24.72,19.939 -23.47,19.939 -22.22,19.939 -20.848,19.957 -19.475,19.975 -18.225,19.975 -16.975,19.975 -15.725,19.975 -11.5,20.25 -11,20.75 -4.975,20.75
SWN5: C3_5.2 L1_5.1 Q1_5.1 Q1_5.2 Q1_5.3 Q2_5.5 Q2_5.6 Q2_5.7 Q2_5.8 Q3_5.5 Q3_5.6 Q3_5.7 Q3_5.8 U1_5.2 | length 119
  Top Layer w0.4: -26.574,40.325 -25.75,39.5 ; -25.935,39.635 -25.75,39.45
  Top Layer w0.45: C3_5.2@-29.382,45.125 -29.257,45 C3_5.2@-29.25,44.993 ; -26.58,40.33 -26.58,41.295 -26.58,42.705 ; -26.575,42.71 U1_5.2@-26.575,43.8
  Top Layer w0.5: C3_5.2@-29.257,45 -29.257,40.007 -28.91,39.66 Q1_5.3@-28.132,39.66 ; v1@-27.25,36.655 -27.25,39.635 ; -12.475,40.3 v1(-12,40.775) v1(-9.975,40.775) v1(-8.975,40.775) v1(-7.975,40.775) v1(-6.975,40.775) v1(-5.975,40.775) -5.25,40.775 v1(-4.5,40.025) v1(-4.5,38.525) v1(-4.5,37.775) v1(-4.5,37.025) v1(-4.5,36.275) L1_5.1@-6.2,36.275 ; v1@-11.5,36.5 v1(-12.5,36.5) ; v1@-11.5,39.635 v1@-12.5,39.635 ; v1(-10.475,36.225) L1_5.1@-10.475,39.36 ; L1_5.1@-9.585,39.635 -11.475,39.635 v1(-11.475,36.5) L1_5.1@-9.5,36.5 ; v1(-9.475,36.225) L1_5.1@-9.475,39.36 ; v1(-9.475,39.925) v1(-8.475,39.925) v1(-7.475,39.925) v1(-6.475,39.925) v1(-5.475,39.925) ; v1(-6.475,36.225) L1_5.1@-6.475,39.36 ; v1(-5.475,36.225) L1_5.1@-5.475,39.36 ; -28,36.5 -28.778,36.5 -28.778,39.635 Q1_5.3@-28,39.635 ; -28,36.5 -28,37.095 -28,38.365 Q1_5.3@-28,39.635 ; -28,36.5 Q2_5.5@-25.9,36.5 Q2_5.6@-24.63,36.5 Q2_5.7@-23.36,36.5 Q2_5.8@-22.09,36.5 v1@-20.873,36.5 ; Q1_5.3@-28,39.635 -27.25,39.635 ; -27.25,39.635 -25.935,39.635 -20.873,39.635 ; v1@-20.873,36.5 Q3_5.5@-19.655,36.5 Q3_5.6@-18.385,36.5 Q3_5.7@-17.115,36.5 Q3_5.8@-15.845,36.5 v1(-14.5,36.5) ; v1@-20.873,36.5 -20.873,39.635 ; -20.873,39.635 v1@-14.5,39.635 ; v1(-14.5,36.5) v1(-13.5,36.5) ; v1(-14.5,36.5) v1@-14.5,39.635 ; v1@-14.5,39.635 v1@-13.5,39.635 ; v1(-13.5,36.5) v1(-12.5,36.5) ; v1(-13.5,36.5) v1@-13.5,39.635 ; v1@-13.5,39.635 v1@-12.5,39.635 ; v1(-12.5,36.5) v1@-12.5,39.635 ; L1_5.1@-7.975,38.05 L1_5.1@-6.2,36.275 ; L1_5.1@-7.975,38.05 -9.5,36.525 L1_5.1@-7.975,38.05 ; L1_5.1@-7.975,38.05 -9.585,39.66 L1_5.1@-7.975,38.05 ; L1_5.1@-7.975,38.05 L1_5.1@-6.2,36.275
  other v1: -20.873,36.25 -27.5,36.5 -26.75,36.5 -25.265,36.5 -23.995,36.5 -22.725,36.5 -21.5,36.5 -20.25,36.5 -19.02,36.5 -17.75,36.5 -16.48,36.5 -15.25,36.5 -10.475,36.975 -9.475,36.975 -6.475,36.975 -5.475,36.975 -20.873,37 -25.275,37.25 -23.995,37.25 -22.75,37.25 -21.5,37.25 -20.25,37.25 -19.02,37.25 -17.75,37.25 -16.48,37.25 -15.25,37.25 -14.5,37.25 -13.5,37.25 -12.5,37.25 -11.475,37.25 -10.475,37.725 -9.475,37.725 -6.475,37.725 -5.475,37.725 -27.5,37.75 -26.75,37.75 -20.873,37.75 -14.5,38 -13.5,38 -12.5,38 -11.475,38 -25.6,38.1 -24.85,38.1 -24.1,38.1 -23.35,38.1 -22.6,38.1 -19.1,38.1 -18.35,38.1 -17.6,38.1 -16.85,38.1 -16.1,38.1 -10.475,38.475 -9.475,38.475 -6.475,38.475 -5.475,38.475 -20.873,38.5 -14.5,38.75 -12.5,38.75 -11.475,38.75 -13.5,38.75 -27.5,39 -26.75,39 -25.6,39.1 -24.85,39.1 -24.1,39.1 -23.35,39.1 -22.6,39.1 -19.1,39.1 -18.35,39.1 -17.6,39.1 -16.85,39.1 -16.1,39.1 -10.475,39.225 -9.475,39.225 -6.475,39.225 -5.475,39.225 -20.873,39.25 -4.475,39.275 -14.5,39.5 -13.5,39.5 -12.5,39.5 -11.475,39.5 -10.475,39.925 -25.995,39.964 -24.745,39.964 -23.495,39.964 -22.245,39.964 -20.873,39.982 -19.5,40 -18.25,40 -17,40 -15.75,40 -11.5,40.275 -11,40.775 -4.975,40.775